# Altium PCB 11BRANMB10H2_20170927.pcbdoc (part 6 of 11) (continued)
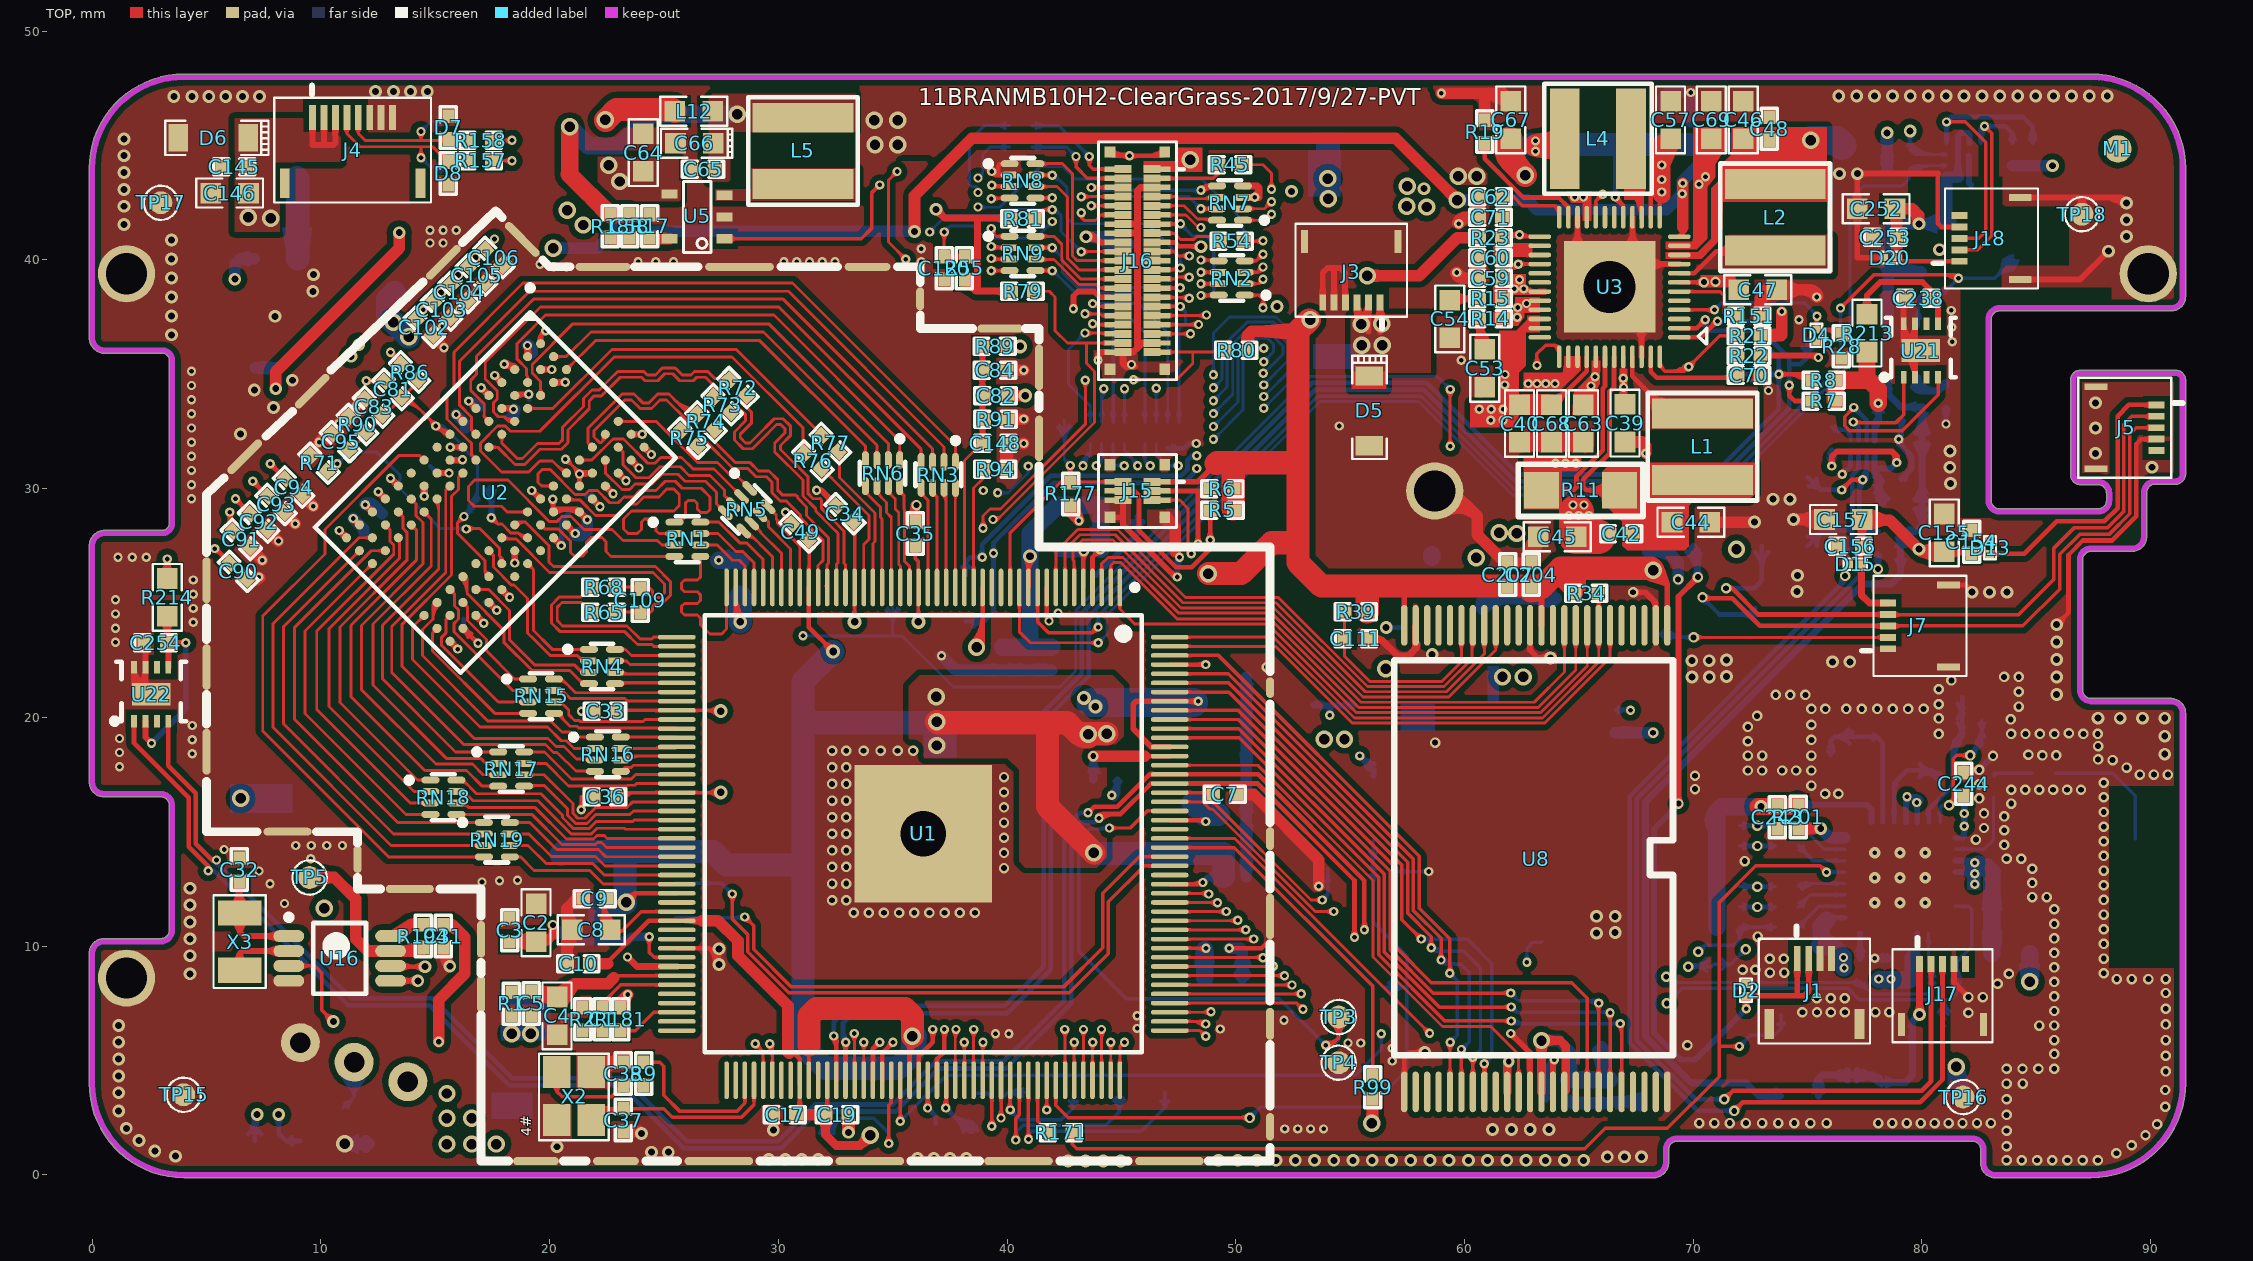
[diagram p0: TOP view]
## Nets (pads, with @x,y where several pads share a name; then routed paths per layer and width w, separated by ;. In a path a pad name is that pad's centre, name@x,y a point inside that pad or via, vN(x,y) a via of type N, cw(c..) or ccw(c..) an arc to the next point about the centre after c; other vN are vias at no path point) (continued)
  Singal w0.127: v1@36.614,41.3 36.615,41.299 v1(36.614,41.224) 36.615,40.625 36.951,40.288 36.951,31.391 39.209,29.134 39.857,29.134 41.61,27.381 41.61,26.713 40.762,25.865 40.762,22.757 41.363,22.156 41.363,8.929 38.792,6.358 ; v1(38.539,6.358) 38.792,6.358 ; v1@38.55,6.351 cw(c38.976,6.106) 38.849,6.58 ; v1@38.609,6.479 ccw(c38.757,6.735) 38.833,6.449 ; v1@38.662,6.291 cw(c38.971,6.121) 38.88,6.462 ; 38.792,6.358 ccw(c38.792,6.2) 38.658,6.284 cw(c38.792,6.2) 38.792,6.358 ; 38.792,6.358 cw(c38.792,6.516) 38.658,6.432 ccw(c38.792,6.516) 38.792,6.358 ; v1@36.515,41.125 cw(c36.273,40.883) 36.615,40.883 ccw(c36.273,40.883) v1@36.515,41.125 ; 36.615,40.891 cw(c36.947,40.891) 36.712,41.125 ccw(c36.947,40.891) 36.615,40.891 ; v1@38.539,6.243 ccw(c38.539,6.577) 38.775,6.341 cw(c38.539,6.577) v1@38.539,6.243 ; v1@38.539,6.37 ccw(c38.539,7.01) 38.992,6.558 cw(c38.539,7.01) v1@38.539,6.37 ; v1@38.539,6.497 ccw(c38.539,7.444) 39.209,6.775 cw(c38.539,7.444) v1@38.539,6.497
  BOTTOM w0.127: v1(36.614,41.224) 37.337,41.948 39.767,41.948 40.034,42.215 41.977,42.215 42.1,42.215 42.358,41.957 ; v1(43.247,40.36) 42.358,41.249 42.358,41.957 ; 36.852,41.463 ccw(c37.091,41.224) 36.753,41.224 cw(c37.091,41.224) 36.852,41.463 ; 36.852,41.463 cw(c36.614,41.701) 36.614,41.364 ccw(c36.614,41.701) 36.852,41.463 ; 42.358,41.957 ccw(c42.079,41.678) 42.004,42.065 cw(c42.079,41.678) 42.358,41.957 ; 43.009,40.599 ccw(c43.247,40.837) 43.247,40.5 cw(c43.247,40.837) 43.009,40.599 ; 43.009,40.599 cw(c42.77,40.36) 43.108,40.36 ccw(c42.77,40.36) 43.009,40.599 ; 41.609,42.215 cw(c41.609,41.834) 41.878,42.103 ccw(c41.609,41.834) 41.609,42.215 ; 41.671,42.215 ccw(c41.671,42.508) 41.878,42.301 cw(c41.671,42.508) 41.671,42.215 ; v1@41.98,42.19 cw(c42.024,41.96) 42.189,42.125 ccw(c42.024,41.96) v1@41.98,42.19
LCD-VSYNC: R45.2 U1.126 | length 65.2
  TOP w0.127: v1(42.527,6.358) 42.535,6.35 U1.126@42.535,4.133 ; R45.2@50.246,44.164 51.187,44.164 51.562,43.789 v1(51.562,43.091) ; 50.746,44.164 ccw(c50.746,43.714) 50.428,44.032 cw(c50.746,43.714) 50.746,44.164 ; 50.746,44.164 cw(c50.746,44.614) 50.428,44.296 ccw(c50.746,44.614) 50.746,44.164 ; 51.562,43.428 ccw(c51.899,43.428) 51.661,43.19 cw(c51.899,43.428) 51.562,43.428 ; 51.562,43.428 cw(c51.225,43.428) 51.463,43.19 ccw(c51.225,43.428) 51.562,43.428 ; v1@42.428,6.259 cw(c42.171,6.002) 42.535,6.002 ccw(c42.171,6.002) v1@42.428,6.259 ; 42.535,6.039 cw(c42.846,6.039) 42.626,6.259 ccw(c42.846,6.039) 42.535,6.039
  Singal w0.127: v1(42.527,6.358) 42.276,6.608 42.276,22.351 42.937,23.011 42.937,27.436 42.938,27.437 42.938,28.277 41.552,29.663 40.69,29.663 37.795,32.557 37.795,43.479 38.868,44.552 42.354,44.552 42.76,44.145 45.249,44.145 45.689,43.705 51.291,43.705 51.562,43.434 v1(51.562,43.091) ; 42.289,6.596 ccw(c42.527,6.835) 42.527,6.497 cw(c42.527,6.835) 42.289,6.596 ; 42.289,6.596 cw(c42.05,6.358) 42.387,6.358 ccw(c42.05,6.358) 42.289,6.596 ; 51.562,43.428 ccw(c51.899,43.428) 51.661,43.19 cw(c51.899,43.428) 51.562,43.428 ; 51.562,43.428 cw(c51.225,43.428) 51.463,43.19 ccw(c51.225,43.428) 51.562,43.428
LDO_1V8_EN: R199.2 R210.1 TP2.1 U1.10 U19.3 | length 101.3
  TOP w0.152: U1.10@41.335,25.683 41.335,24.172 41.813,23.694 43.726,23.694 v1(43.98,23.948) ; v1(76.441,37.897) 77.889,39.345 81.455,39.345 v1(81.598,39.202) ; 81.214,39.282 ccw(c81.352,39.522) v1@81.521,39.302 ; v1@81.472,39.217 ccw(c81.352,39.232) 81.413,39.337 ccw(c81.502,39.492) v1@81.559,39.322 ; 43.763,23.731 cw(c43.98,23.514) v1@43.98,23.821 ; 43.763,23.731 ccw(c43.546,23.948) v1@43.853,23.948 ; 43.763,23.731 ccw(c43.546,23.948) v1@43.853,23.948 ; 43.763,23.731 cw(c43.98,23.514) v1@43.98,23.821 ; 43.763,23.731 ccw(c43.546,23.948) v1@43.853,23.948 ; 43.763,23.731 cw(c43.98,23.514) v1@43.98,23.821 ; v1@76.441,38.024 ccw(c76.441,38.33) 76.658,38.114 ; v1@76.441,38.024 ccw(c76.441,38.33) 76.658,38.114 ; v1@76.441,38.024 ccw(c76.441,38.33) 76.658,38.114 ; v1@76.568,37.897 cw(c76.874,37.897) 76.658,38.114 ; v1@76.568,37.897 cw(c76.874,37.897) 76.658,38.114 ; v1@76.568,37.897 cw(c76.874,37.897) 76.658,38.114 ; 80.947,39.345 cw(c80.947,38.55) 81.509,39.112 ccw(c80.947,38.55) 80.947,39.345 ; 81.314,39.345 cw(c81.314,38.918) 81.616,39.22 ccw(c81.314,38.918) 81.314,39.345
  BOTTOM w0.152: v1(43.98,23.948) 43.98,24.444 53.585,34.049 58.105,34.049 62.194,29.959 62.274,30.039 71.129,30.039 76.441,35.351 v1(76.441,37.897) ; U19.3@79.834,37.107 79.834,38.352 R199.2@79.971,38.489 R210.1@80.886,38.489 v1(81.598,39.202) 83.179,39.202 83.977,40 83.989,39.989 TP2.1@84,39.977 ; v1@43.89,24.038 ccw(c43.673,24.254) 43.98,24.254 ; v1@43.89,24.038 ccw(c43.673,24.254) 43.98,24.254 ; v1@43.89,24.038 ccw(c43.673,24.254) 43.98,24.254 ; 43.98,24.254 ccw(c44.287,24.254) v1@44.07,24.038 ; 43.98,24.254 ccw(c44.287,24.254) v1@44.07,24.038 ; 43.98,24.254 ccw(c44.287,24.254) v1@44.07,24.038 ; v1@76.351,37.807 cw(c76.134,37.59) 76.441,37.59 ; v1@76.351,37.807 cw(c76.134,37.59) 76.441,37.59 ; v1@76.351,37.807 cw(c76.134,37.59) 76.441,37.59 ; 76.441,37.59 cw(c76.747,37.59) v1@76.531,37.807 ; 76.441,37.59 cw(c76.747,37.59) v1@76.531,37.807 ; 76.441,37.59 cw(c76.747,37.59) v1@76.531,37.807 ; U19.3@79.746,37.445 ccw(c79.535,37.656) 79.834,37.656 ; U19.3@79.746,37.445 ccw(c79.535,37.656) 79.834,37.656 ; U19.3@79.746,37.445 ccw(c79.535,37.656) 79.834,37.656 ; 79.834,37.656 ccw(c80.133,37.656) U19.3@79.922,37.445 ; 79.834,37.656 ccw(c80.133,37.656) U19.3@79.922,37.445 ; 79.834,37.656 ccw(c80.133,37.656) U19.3@79.922,37.445 ; 79.834,37.688 cw(c80.723,37.688) R199.2@80.094,38.316 ; 79.834,37.688 cw(c80.723,37.688) R199.2@80.094,38.316 ; 79.834,37.688 cw(c80.723,37.688) R199.2@80.094,38.316 ; 79.834,38.056 cw(c80.355,38.056) R199.2@79.987,38.424 ; 79.834,38.056 cw(c80.355,38.056) R199.2@79.987,38.424 ; 79.834,38.056 cw(c80.355,38.056) R199.2@79.987,38.424 ; R199.2@79.859,38.306 cw(c79.704,38.122) 79.913,38.002 ; R199.2@79.859,38.306 cw(c79.704,38.122) 79.913,38.002 ; R199.2@79.859,38.306 cw(c79.704,38.122) 79.913,38.002 ; R199.2@79.958,38.423 cw(c79.823,38.263) 80.004,38.159 ; R199.2@79.958,38.423 cw(c79.823,38.263) 80.004,38.159 ; R199.2@79.958,38.423 cw(c79.823,38.263) 80.004,38.159 ; R199.2@80.094,38.366 cw(c80.391,38.069) 80.391,38.489 ; R199.2@80.094,38.366 cw(c80.391,38.069) 80.391,38.489 ; R199.2@80.094,38.366 cw(c80.391,38.069) 80.391,38.489 ; R199.2@80.094,38.612 ccw(c80.391,38.909) 80.391,38.489 ; R199.2@80.094,38.612 ccw(c80.391,38.909) 80.391,38.489 ; R199.2@80.094,38.612 ccw(c80.391,38.909) 80.391,38.489 ; 80.466,38.489 cw(c80.466,38.069) R210.1@80.763,38.366 ; 80.466,38.489 ccw(c80.466,38.909) R210.1@80.763,38.612 ; 80.466,38.489 ccw(c80.466,38.909) R210.1@80.763,38.612 ; 80.466,38.489 cw(c80.466,38.069) R210.1@80.763,38.366 ; 80.466,38.489 ccw(c80.466,38.909) R210.1@80.763,38.612 ; 80.466,38.489 cw(c80.466,38.069) R210.1@80.763,38.366 ; R210.1@80.886,38.713 ccw(c80.886,39.253) 81.268,38.871 ; R210.1@80.886,38.713 ccw(c80.886,39.253) 81.268,38.871 ; R210.1@80.886,38.713 ccw(c80.886,39.253) 81.268,38.871 ; R210.1@80.906,38.533 cw(c81.27,38.422) 81.172,38.789 ; R210.1@80.906,38.533 cw(c81.27,38.422) 81.172,38.789 ; R210.1@80.906,38.533 cw(c81.27,38.422) 81.172,38.789 ; R210.1@81.06,38.539 cw(c81.358,38.539) 81.147,38.75 ; R210.1@81.06,38.539 cw(c81.358,38.539) 81.147,38.75 ; R210.1@81.06,38.539 cw(c81.358,38.539) 81.147,38.75 ; 81.382,38.985 cw(c81.598,38.768) v1@81.598,39.075 ; 81.382,38.985 ccw(c81.165,39.202) v1@81.471,39.202 ; 81.382,38.985 ccw(c81.165,39.202) v1@81.471,39.202 ; 81.382,38.985 cw(c81.598,38.768) v1@81.598,39.075 ; 81.382,38.985 ccw(c81.165,39.202) v1@81.471,39.202 ; 81.382,38.985 cw(c81.598,38.768) v1@81.598,39.075 ; v1@81.688,39.112 cw(c81.905,38.895) 81.905,39.202 ; v1@81.688,39.112 cw(c81.905,38.895) 81.905,39.202 ; v1@81.688,39.112 cw(c81.905,38.895) 81.905,39.202 ; v1@81.688,39.291 ccw(c81.905,39.508) 81.905,39.202 ; v1@81.688,39.291 ccw(c81.905,39.508) 81.905,39.202 ; v1@81.688,39.291 ccw(c81.905,39.508) 81.905,39.202 ; 83.238,39.26 cw(c84,38.498) TP2.1@84,39.576 ; 83.238,39.26 cw(c84,38.498) TP2.1@84,39.576 ; 83.238,39.26 cw(c84,38.498) TP2.1@84,39.576 ; 83.293,39.315 ccw(c82.608,40) TP2.1@83.576,40 ; 83.293,39.315 ccw(c82.608,40) TP2.1@83.576,40 ; 83.293,39.315 ccw(c82.608,40) TP2.1@83.576,40 ; 83.45,39.531 cw(c84.12,39.351) TP2.1@83.994,40.033 ; 83.45,39.531 cw(c84.12,39.351) TP2.1@83.994,40.033 ; 83.45,39.531 cw(c84.12,39.351) TP2.1@83.994,40.033 ; 83.498,39.521 cw(c84,39.018) TP2.1@84,39.729 ; 83.498,39.521 cw(c84,39.018) TP2.1@84,39.729 ; 83.498,39.521 cw(c84,39.018) TP2.1@84,39.729 ; 83.506,39.444 ccw(c83.316,40.153) TP2.1@84.033,39.993 ; 83.506,39.444 ccw(c83.316,40.153) TP2.1@84.033,39.993 ; 83.506,39.444 ccw(c83.316,40.153) TP2.1@84.033,39.993 ; 83.513,39.764 cw(c84.071,39.614) TP2.1@83.966,40.183 ; 83.513,39.764 cw(c84.071,39.614) TP2.1@83.966,40.183 ; 83.513,39.764 cw(c84.071,39.614) TP2.1@83.966,40.183 ; 83.553,39.576 ccw(c83.128,40) TP2.1@83.729,40 ; 83.553,39.576 ccw(c83.128,40) TP2.1@83.729,40 ; 83.553,39.576 ccw(c83.128,40) TP2.1@83.729,40 ; 83.749,39.509 ccw(c83.593,40.091) TP2.1@84.181,39.959 ; 83.749,39.509 ccw(c83.593,40.091) TP2.1@84.181,39.959 ; 83.749,39.509 ccw(c83.593,40.091) TP2.1@84.181,39.959
LRADC: R181.1 U1.86 | length 4.1
  TOP w0.152: R181.1@23.105,6.307 23.743,6.307 24.544,7.108 U1.86@25.56,7.108 ; 23.525,6.307 ccw(c23.525,5.887) 23.228,6.184 cw(c23.525,5.887) 23.525,6.307 ; 23.525,6.307 cw(c23.525,6.727) 23.228,6.43 ccw(c23.525,6.727) 23.525,6.307
N495906: D4.2 R28.1 U3.4 | length 16.9
  TOP w0.152: U3.4@69.393,37.819 v1@70.927,37.819 ; v1(75.411,37.541) 75.386,37.516 D4.2@75.386,36.968 76.223,36.968 R28.1@76.47,36.72 ; R28.1@76.303,36.725 ccw(c75.965,36.635) 76.14,36.937 ccw(c76.277,37.176) R28.1@76.396,36.927 ; 75.386,37.207 ccw(c75.624,37.207) D4.2@75.456,37.038 ; 75.386,37.207 cw(c75.147,37.207) 75.316,37.038 ccw(c75.147,37.207) 75.386,37.207 ; 75.386,37.207 ccw(c75.624,37.207) D4.2@75.456,37.038 ; D4.2@75.456,37.038 ccw(c75.624,37.207) 75.624,36.968 ; D4.2@75.456,37.038 ccw(c75.624,37.207) 75.624,36.968 ; 75.624,36.968 ccw(c75.624,36.729) 75.456,36.898 cw(c75.624,36.729) 75.624,36.968 ; 70.619,37.819 ccw(c70.619,38.131) 70.839,37.91 cw(c70.619,38.131) 70.619,37.819 ; 70.626,37.819 cw(c70.626,37.518) 70.839,37.731 ccw(c70.626,37.518) 70.626,37.819 ; v1@75.321,37.451 cw(c75.166,37.296) 75.386,37.296 ccw(c75.166,37.296) v1@75.321,37.451 ; 75.386,37.173 cw(c75.779,37.173) 75.501,37.451 ccw(c75.779,37.173) 75.386,37.173 ; 75.573,36.968 cw(c75.573,35.873) 76.348,36.647 ccw(c75.573,35.873) 75.573,36.968 ; 75.941,36.968 cw(c75.941,36.241) 76.455,36.755 ccw(c75.941,36.241) 75.941,36.968
  BOTTOM w0.152: v1(70.929,37.821) 71.234,38.125 74.866,38.125 v1@75.431,37.561 ; 71.146,38.037 ccw(c71.363,37.821) 71.056,37.821 cw(c71.363,37.821) 71.146,38.037 ; 71.146,38.037 cw(c70.929,38.254) 70.929,37.948 ccw(c70.929,38.254) 71.146,38.037 ; 75.167,37.825 cw(c74.883,37.541) 75.284,37.541 ccw(c74.883,37.541) 75.167,37.825 ; 75.261,37.73 ccw(c75.411,37.881) 75.411,37.668 cw(c75.411,37.881) 75.261,37.73
N496392: C42.1 C44.1 L1.1 R11.2 U3.43 | length 15.3
  TOP w0.203: U3.43@66.543,35.769 66.537,35.763 66.537,34.46 66.543,34.453 66.543,34.447 66.343,34.247 66.343,31.549 65.2,30.406 65.2,30.056 65.327,29.929 ; R11.2@66.783,29.929 65.327,29.929 ; 65.327,29.929 ccw(c65.327,31.21) 66.289,30.364 cw(c65.327,31.21) 65.327,29.929 ; 65.327,29.929 cw(c65.327,28.648) 66.289,29.494 ccw(c65.327,28.648) 65.327,29.929 ; 65.776,29.929 ccw(c65.776,30.814) 66.441,30.23 cw(c65.776,30.814) 65.776,29.929 ; 65.776,29.929 cw(c65.776,29.044) 66.441,29.628 ccw(c65.776,29.044) 65.776,29.929
N496496: L2.1 U3.8 | length 8.2
  TOP w0.203: U3.8@69.393,39.419 70.054,39.419 71.01,40.375 ; L2.1@73.582,40.417 73.54,40.375 71.01,40.375 ; 71.01,40.375 ccw(c71.01,41.007) 71.557,40.691 cw(c71.01,41.007) 71.01,40.375 ; 71.01,40.375 cw(c71.01,39.639) 71.596,40.085 ccw(c71.01,39.639) 71.01,40.375 ; 71.362,40.375 ccw(c71.362,40.804) 71.733,40.59 cw(c71.362,40.804) 71.362,40.375
N496956: C70.2 R22.1 U3.47 | length 9
  TOP w0.152: U3.47@68.143,35.687 U3.47@68.143,35.769
  TOP w0.203: U3.47@68.143,35.687 68.143,35.12 68.407,34.857 71.845,34.857 C70.2@71.939,34.95 R22.1@71.939,35.817 ; 71.552,34.921 cw(c71.631,34.784) C70.2@71.764,34.87 ; 71.939,35.308 ccw(c72.297,35.308) 72.044,35.055 cw(c72.297,35.308) 71.939,35.308 ; 71.939,35.309 cw(c71.58,35.309) 71.834,35.055 ccw(c71.58,35.309) 71.939,35.309 ; 71.939,35.458 ccw(c71.581,35.458) 71.834,35.712 cw(c71.581,35.458) 71.939,35.458 ; 71.939,35.458 cw(c72.297,35.458) 72.044,35.712 ccw(c72.297,35.458) 71.939,35.458 ; 71.304,34.857 ccw(c71.304,35.535) 71.784,35.055 cw(c71.304,35.535) 71.304,34.857
N497310: C62.2 U3.24 | length 4.9
  TOP w0.152: C62.2@61.636,42.756 62.152,42.756 62.533,42.375 63.93,42.375 ; 63.927,42.378 63.93,42.375 ; 64.038,42.316 cw(c64.008,42.183) U3.24@64.123,42.256 ; U3.24@64.143,41.869 64.143,42.162 63.93,42.375 ; 62.106,42.756 ccw(c62.106,42.336) 61.809,42.633 cw(c62.106,42.336) 62.106,42.756 ; 62.106,42.756 cw(c62.106,43.176) 61.809,42.879 ccw(c62.106,43.176) 62.106,42.756 ; 63.93,42.375 ccw(c64.129,42.574) 64.142,42.293 cw(c64.129,42.574) 63.93,42.375
N497342: R19.2 U3.23 | length 6.8
  TOP w0.203: R19.2@60.882,45.114 60.882,44.421 62.573,42.731 64.11,42.731 64.543,42.298 U3.23@64.543,41.869 ; 60.882,44.706 ccw(c60.524,44.706) 60.777,44.959 cw(c60.524,44.706) 60.882,44.706 ; 60.882,44.706 cw(c61.24,44.706) 60.987,44.959 ccw(c61.24,44.706) 60.882,44.706
N497492: L4.1 U3.15 | length 14.2
  TOP w0.203: L4.1@66.851,44.989 66.851,44.788 67.743,43.896 U3.15@67.743,41.869 ; L4.1@66.971,43.297 cw(c65.934,41.814) 67.743,41.814 ccw(c65.934,41.814) L4.1@66.971,43.297 ; L4.1@67.087,43.463 cw(c66.207,42.204) 67.743,42.204 ccw(c66.207,42.204) L4.1@67.087,43.463 ; L4.1@67.204,43.63 cw(c66.479,42.594) 67.743,42.594 ccw(c66.479,42.594) L4.1@67.204,43.63 ; L4.1@67.32,43.796 cw(c66.752,42.984) 67.743,42.984 ccw(c66.752,42.984) L4.1@67.32,43.796
N497618: L1.2 U3.45 | length 13.7
  TOP w0.203: U3.45@67.343,35.769 67.343,34.923 L1.2@68.629,33.638 ; 68.131,33.945 ccw(c69.121,34.21) L1.2@68.84,33.225 ; L1.2@68.224,33.599 ccw(c69.006,33.808) L1.2@68.785,33.03 ; 68.328,33.974 cw(c68.12,33.198) L1.2@68.918,33.291 ; L1.2@68.603,33.638 L1.2@68.629,33.638 ; L1.2@68.617,33.897 cw(c68.439,33.235) L1.2@69.12,33.315 ; L1.2@70.018,33.638 L1.2@68.629,33.638 ; 67.832,34.434 cw(c66.682,33.284) 68.309,33.284 ccw(c66.682,33.284) 67.832,34.434 ; 68.135,34.132 ccw(c68.857,34.854) 68.857,33.832 cw(c68.857,34.854) 68.135,34.132 ; 68.179,34.087 cw(c67.376,33.284) 68.512,33.284 ccw(c67.376,33.284) 68.179,34.087
N499368: C43.1 C51.1 C52.1 L3.1 L13.2 R13.2 | length 10.9
  TOP w0.508: v3(8.025,34.374) 8.025,35.107 13.424,40.506 v3(13.424,41.192)
  BOTTOM w0.508: R13.2@7.125,35.29 8.008,35.29 C43.1@8.014,35.284 8.014,34.374 v3@8.014,34.36
N499376: C43.2 R12.2 R13.1 U4.5
N499488: L3.2 U4.3 | length 3.6
  BOTTOM w1.016: L3.2@8.951,43.605 8.989,43.567 U4.3@8.989,40.049
N502826: C58.1 C65.1 C66.1 L5.1 L12.2 R18.2 | length 13.7
  TOP w0.762: v4(20.879,45.822) 20.879,43.769 20.866,43.756 R18.2@22.644,41.978 C58.1@23.507,41.978
  BOTTOM w0.762: v4(20.879,45.822) 20.879,45.808 21.685,45.002 23.069,45.002 24.44,46.374 v4(28.207,46.374)
N502890: C58.2 R17.2 R18.1 U5.5 | length 2.6
  TOP w0.508: R18.1@22.644,40.978 22.694,40.928 23.507,40.928 24.371,40.928 U5.5@25.248,40.928
N502982: L5.2 U5.3
N16922120: C54.1 R15.2 | length 4.7
  TOP w0.254: C54.1@59.358,38.248 59.421,38.311 R15.2@60.636,38.311 ; 60.289,38.311 ccw(c60.289,38.608) 60.499,38.398 cw(c60.289,38.608) 60.289,38.311 ; 60.289,38.311 cw(c60.289,38.014) 60.499,38.224 ccw(c60.289,38.014) 60.289,38.311 ; C54.1@59.586,38.019 cw(c60.291,37.314) 60.291,38.311 ccw(c60.291,37.314) C54.1@59.586,38.019 ; C54.1@59.586,38.476 ccw(c59.984,38.874) 59.984,38.311 cw(c59.984,38.874) C54.1@59.586,38.476
N16974975: J16.3 R45.1 | length 4.4
  TOP w0.152: J16.3@46.335,43.57 J16.3@46.925,43.57 49.018,43.57 49.246,43.798 ; R45.1@49.246,44.164 49.246,43.798 ; 49.246,43.798 ccw(c48.947,43.798) 49.136,44.029 cw(c48.947,43.798) 49.246,43.798 ; 49.246,43.798 cw(c49.544,43.798) 49.356,44.029 ccw(c49.544,43.798) 49.246,43.798
N16974977: J16.4 R46.1 | length 8
  TOP w0.152: v1(43.014,44.526) 43.014,44.069 43.513,43.57 J16.4@44.475,43.57 J16.4@45.065,43.57 ; 43.014,44.22 ccw(c42.708,44.22) 42.925,44.436 cw(c42.708,44.22) 43.014,44.22 ; 43.014,44.22 cw(c43.321,44.22) 43.104,44.436 ccw(c43.321,44.22) 43.014,44.22
  BOTTOM w0.152: R46.1@41.101,44.933 42.608,44.933 v1(43.014,44.526) ; 41.571,44.933 ccw(c41.571,44.513) 41.274,44.81 cw(c41.571,44.513) 41.571,44.933 ; 41.571,44.933 cw(c41.571,45.352) 41.274,45.055 ccw(c41.571,45.352) 41.571,44.933 ; 42.798,44.743 ccw(c43.014,44.96) 43.014,44.653 cw(c43.014,44.96) 42.798,44.743 ; 42.798,44.743 cw(c42.581,44.526) 42.887,44.526 ccw(c42.581,44.526) 42.798,44.743
N16975074: J16.2 R44.1 | length 8.2
  TOP w0.152: v1(43.599,44.526) 43.599,44.145 43.774,43.97 J16.2@44.475,43.97 J16.2@45.065,43.97 ; 43.599,44.22 ccw(c43.292,44.22) 43.509,44.436 cw(c43.292,44.22) 43.599,44.22 ; 43.599,44.22 cw(c43.905,44.22) 43.688,44.436 ccw(c43.905,44.22) 43.599,44.22
  BOTTOM w0.152: R44.1@41.101,45.872 42.252,45.872 v1(43.599,44.526) ; 41.571,45.872 ccw(c41.571,45.453) 41.274,45.75 cw(c41.571,45.453) 41.571,45.872 ; 41.571,45.872 cw(c41.571,46.292) 41.274,45.995 ccw(c41.571,46.292) 41.571,45.872 ; 43.382,44.743 ccw(c43.599,44.96) 43.599,44.653 cw(c43.599,44.96) 43.382,44.743 ; 43.382,44.743 cw(c43.165,44.526) 43.472,44.526 ccw(c43.165,44.526) 43.382,44.743
N16976082: J16.6 RN7.5 | length 14.4
  TOP w0.152: v1@43.704,43.17 J16.6@44.475,43.17 J16.6@45.065,43.17 ; v1(48.476,43.046) 48.667,43.238 ; v1@48.501,43.171 ccw(c48.545,43.389) 48.668,43.204 ; v1@48.539,43.156 ccw(c48.701,43.434) RN7.5@48.878,43.167 ; v1@48.603,43.051 cw(c48.792,43.058) 48.687,43.216 ; 48.697,43.199 cw(c48.767,42.939) RN7.5@48.901,43.172 ; 43.981,43.17 ccw(c43.981,42.863) 43.765,43.08 cw(c43.981,42.863) 43.981,43.17 ; 43.981,43.17 cw(c43.981,43.477) 43.765,43.26 ccw(c43.981,43.477) 43.981,43.17 ; 48.667,43.238 ccw(c48.826,43.079) 48.602,43.058 cw(c48.826,43.079) 48.667,43.238 ; 48.667,43.238 cw(c48.508,43.396) 48.488,43.173 ccw(c48.508,43.396) 48.667,43.238 ; 48.667,43.238 RN7.5@49.181,43.238 ; 48.755,43.238 ccw(c48.755,43.422) 48.885,43.292 cw(c48.755,43.422) 48.755,43.238 ; 48.755,43.238 cw(c48.755,43.054) 48.885,43.184 ccw(c48.755,43.054) 48.755,43.238 ; RN7.5@49.181,43.238 ccw(c49.181,42.425) 48.571,42.962 cw(c49.181,42.425) RN7.5@49.181,43.238 ; v1@48.457,43.063 cw(c48.843,42.723) 48.843,43.238 ccw(c48.843,42.723) v1@48.457,43.063
  BOTTOM w0.152: v1(43.675,43.17) 44.069,43.17 44.193,43.046 v1(48.476,43.046) ; 43.981,43.17 ccw(c43.981,42.863) 43.765,43.08 cw(c43.981,42.863) 43.981,43.17 ; 43.981,43.17 cw(c43.981,43.477) 43.765,43.26 ccw(c43.981,43.477) 43.981,43.17 ; 48.169,43.046 ccw(c48.169,43.353) 48.386,43.136 cw(c48.169,43.353) 48.169,43.046 ; 48.169,43.046 cw(c48.169,42.74) 48.386,42.957 ccw(c48.169,42.74) 48.169,43.046
N16976085: J16.7 RN7.6 | length 4.6
  TOP w0.127: J16.7@46.335,42.77 J16.7@46.925,42.77 47.409,42.77 47.501,42.678 49.121,42.678 RN7.6@49.181,42.738 ; 48.732,42.717 cw(c48.783,42.629) RN7.6@48.866,42.687 ; J16.7@46.684,42.77 ccw(c46.684,42.906) 46.78,42.81 cw(c46.684,42.906) J16.7@46.684,42.77 ; J16.7@46.684,42.77 cw(c46.684,42.634) 46.78,42.73 ccw(c46.684,42.634) J16.7@46.684,42.77 ; 47.166,42.77 ccw(c47.166,42.634) 47.07,42.73 cw(c47.166,42.634) 47.166,42.77 ; 47.166,42.77 cw(c47.166,42.906) 47.07,42.81 ccw(c47.166,42.906) 47.166,42.77 ; 48.581,42.678 ccw(c48.581,43.096) 48.876,42.8 cw(c48.581,43.096) 48.581,42.678
N16976088: J16.8 RN7.7 | length 14.2
  TOP w0.127: v1@43.25,42.77 J16.8@44.475,42.77 J16.8@45.065,42.77 ; v1@48.4,42.234 v1(48.476,42.234) 48.48,42.238 RN7.7@49.181,42.238 ; 48.698,42.204 cw(c48.754,41.995) RN7.7@48.885,42.167 ; 48.7,42.265 ccw(c48.753,42.459) RN7.7@48.882,42.306 ; 44.234,42.77 ccw(c44.234,42.906) 44.33,42.81 cw(c44.234,42.906) 44.234,42.77 ; 44.234,42.77 cw(c44.234,42.634) 44.33,42.73 ccw(c44.234,42.634) 44.234,42.77 ; J16.8@44.716,42.77 ccw(c44.716,42.634) 44.62,42.73 cw(c44.716,42.634) J16.8@44.716,42.77 ; J16.8@44.716,42.77 cw(c44.716,42.906) 44.62,42.81 ccw(c44.716,42.906) J16.8@44.716,42.77 ; 48.725,42.238 ccw(c48.725,42.452) 48.876,42.301 cw(c48.725,42.452) 48.725,42.238 ; 48.725,42.238 cw(c48.725,42.023) 48.876,42.175 ccw(c48.725,42.023) 48.725,42.238 ; v1@43.346,42.668 cw(c43.592,42.422) 43.592,42.77 ccw(c43.592,42.422) v1@43.346,42.668 ; v1@43.346,42.866 ccw(c43.577,43.097) 43.577,42.77 cw(c43.577,43.097) v1@43.346,42.866 ; v1@48.575,42.135 cw(c48.823,41.887) 48.823,42.238 ccw(c48.823,41.887) v1@48.575,42.135 ; v1@48.575,42.332 ccw(c48.803,42.561) 48.803,42.238 cw(c48.803,42.561) v1@48.575,42.332
  BOTTOM w0.127: v1(43.247,42.767) 47.942,42.767 v1(48.476,42.234) ; 43.584,42.767 ccw(c43.584,42.43) 43.346,42.668 cw(c43.584,42.43) 43.584,42.767 ; 43.584,42.767 cw(c43.584,43.104) 43.346,42.866 ccw(c43.584,43.104) 43.584,42.767 ; 48.237,42.472 ccw(c48.476,42.711) 48.476,42.373 cw(c48.476,42.711) 48.237,42.472 ; 48.237,42.472 cw(c47.999,42.234) 48.336,42.234 ccw(c47.999,42.234) 48.237,42.472
N16976091: J16.9 RN7.8 | length 4.7
  TOP w0.127: J16.9@46.335,42.37 J16.9@46.925,42.37 47.742,42.37 48.323,41.789 49.129,41.789 RN7.8@49.181,41.738 ; 48.744,41.751 ccw(c48.788,41.826) RN7.8@48.863,41.782 ; J16.9@46.684,42.37 ccw(c46.684,42.506) 46.78,42.41 cw(c46.684,42.506) J16.9@46.684,42.37 ; J16.9@46.684,42.37 cw(c46.684,42.234) 46.78,42.33 ccw(c46.684,42.234) J16.9@46.684,42.37 ; 47.166,42.37 ccw(c47.166,42.234) 47.07,42.33 cw(c47.166,42.234) 47.166,42.37 ; 47.166,42.37 cw(c47.166,42.506) 47.07,42.41 ccw(c47.166,42.506) 47.166,42.37 ; 48.6,41.789 cw(c48.6,41.398) 48.876,41.675 ccw(c48.6,41.398) 48.6,41.789
N16976439: J16.15 R54.1 | length 4.1
  TOP w0.127: J16.15@46.335,41.17 J16.15@46.925,41.17 47.307,41.17 47.577,40.9 48.165,40.9 48.292,41.027 49.106,41.027 R54.1@49.322,40.811 ; J16.15@46.684,41.17 ccw(c46.684,41.306) 46.78,41.21 cw(c46.684,41.306) J16.15@46.684,41.17 ; J16.15@46.684,41.17 cw(c46.684,41.034) 46.78,41.13 ccw(c46.684,41.034) J16.15@46.684,41.17 ; 47.166,41.17 ccw(c47.166,41.034) 47.07,41.13 cw(c47.166,41.034) 47.166,41.17 ; 47.166,41.17 cw(c47.166,41.306) 47.07,41.21 ccw(c47.166,41.306) 47.166,41.17
N16977236: J16.25 RN8.5 | length 19.1
  TOP w0.127: RN8.5@41.256,42.723 RN8.5@41.243,42.709 41.977,42.709 41.985,42.709 41.988,42.712 v1@41.998,42.723 ; RN8.5@41.534,42.783 ccw(c41.679,42.994) 41.746,42.746 ; J16.25@46.335,39.17 J16.25@46.925,39.17 47.371,39.17 47.45,39.249 v1(47.968,39.249) ; 41.699,42.709 ccw(c41.699,42.495) 41.547,42.646 cw(c41.699,42.495) 41.699,42.709 ; 41.699,42.709 cw(c41.699,42.924) 41.547,42.772 ccw(c41.699,42.924) 41.699,42.709 ; J16.25@46.684,39.17 ccw(c46.684,39.306) 46.78,39.21 cw(c46.684,39.306) J16.25@46.684,39.17 ; J16.25@46.684,39.17 cw(c46.684,39.034) 46.78,39.13 ccw(c46.684,39.034) J16.25@46.684,39.17 ; 47.166,39.17 ccw(c47.166,39.034) 47.07,39.13 cw(c47.166,39.034) 47.166,39.17 ; 47.166,39.17 cw(c47.166,39.306) 47.07,39.21 ccw(c47.166,39.306) 47.166,39.17 ; 47.631,39.249 ccw(c47.631,39.586) 47.869,39.348 cw(c47.631,39.586) 47.631,39.249 ; 47.631,39.249 cw(c47.631,38.912) 47.869,39.15 ccw(c47.631,38.912) 47.631,39.249 ; RN8.5@41.607,42.709 ccw(c41.607,43.093) 41.878,42.822 cw(c41.607,43.093) RN8.5@41.607,42.709 ; 41.672,42.709 cw(c41.672,42.418) 41.878,42.624 ccw(c41.672,42.418) 41.672,42.709
  Singal w0.127: v1@41.998,42.723 v1(41.977,42.723) ; v1(47.968,39.249) 42.936,39.249 42.231,39.954 41.723,39.954 41.393,40.284 41.393,42.418 41.698,42.723 ; 41.698,42.723 ccw(c41.698,42.932) v1@41.865,42.807 ; 41.698,42.723 cw(c41.698,42.514) v1@41.865,42.639 ; 41.698,42.723 ccw(c41.698,42.932) v1@41.865,42.807 ; 41.698,42.723 cw(c41.698,42.514) v1@41.865,42.639 ; 41.698,42.723 ccw(c41.698,42.932) v1@41.865,42.807 ; 41.698,42.723 cw(c41.698,42.514) v1@41.865,42.639 ; 41.698,42.723 ccw(c41.698,42.932) v1@41.865,42.807 ; 41.698,42.723 cw(c41.698,42.514) v1@41.865,42.639 ; 41.698,42.723 v1(41.977,42.723) ; 41.698,42.723 v1(41.977,42.723) ; 47.631,39.249 ccw(c47.631,39.586) 47.869,39.348 cw(c47.631,39.586) 47.631,39.249 ; 47.631,39.249 cw(c47.631,38.912) 47.869,39.15 ccw(c47.631,38.912) 47.631,39.249
N16977237: J16.24 RN8.6 | length 8.1
  TOP w0.127: RN8.6@41.598,43.209 42.18,43.209 42.638,42.752 42.638,40.076 43.144,39.57 J16.24@44.475,39.57 J16.24@45.065,39.57 ; 41.699,43.209 ccw(c41.699,42.995) 41.547,43.147 cw(c41.699,42.995) 41.699,43.209 ; 41.699,43.209 cw(c41.699,43.424) 41.547,43.272 ccw(c41.699,43.424) 41.699,43.209 ; 44.234,39.57 ccw(c44.234,39.706) 44.33,39.61 cw(c44.234,39.706) 44.234,39.57 ; 44.234,39.57 cw(c44.234,39.434) 44.33,39.53 ccw(c44.234,39.434) 44.234,39.57 ; J16.24@44.716,39.57 ccw(c44.716,39.434) 44.62,39.53 cw(c44.716,39.434) J16.24@44.716,39.57 ; J16.24@44.716,39.57 cw(c44.716,39.706) 44.62,39.61 ccw(c44.716,39.706) J16.24@44.716,39.57